# Altium PCB 3-as-manufactured.PcbDoc (part 1 of 16) (continued)
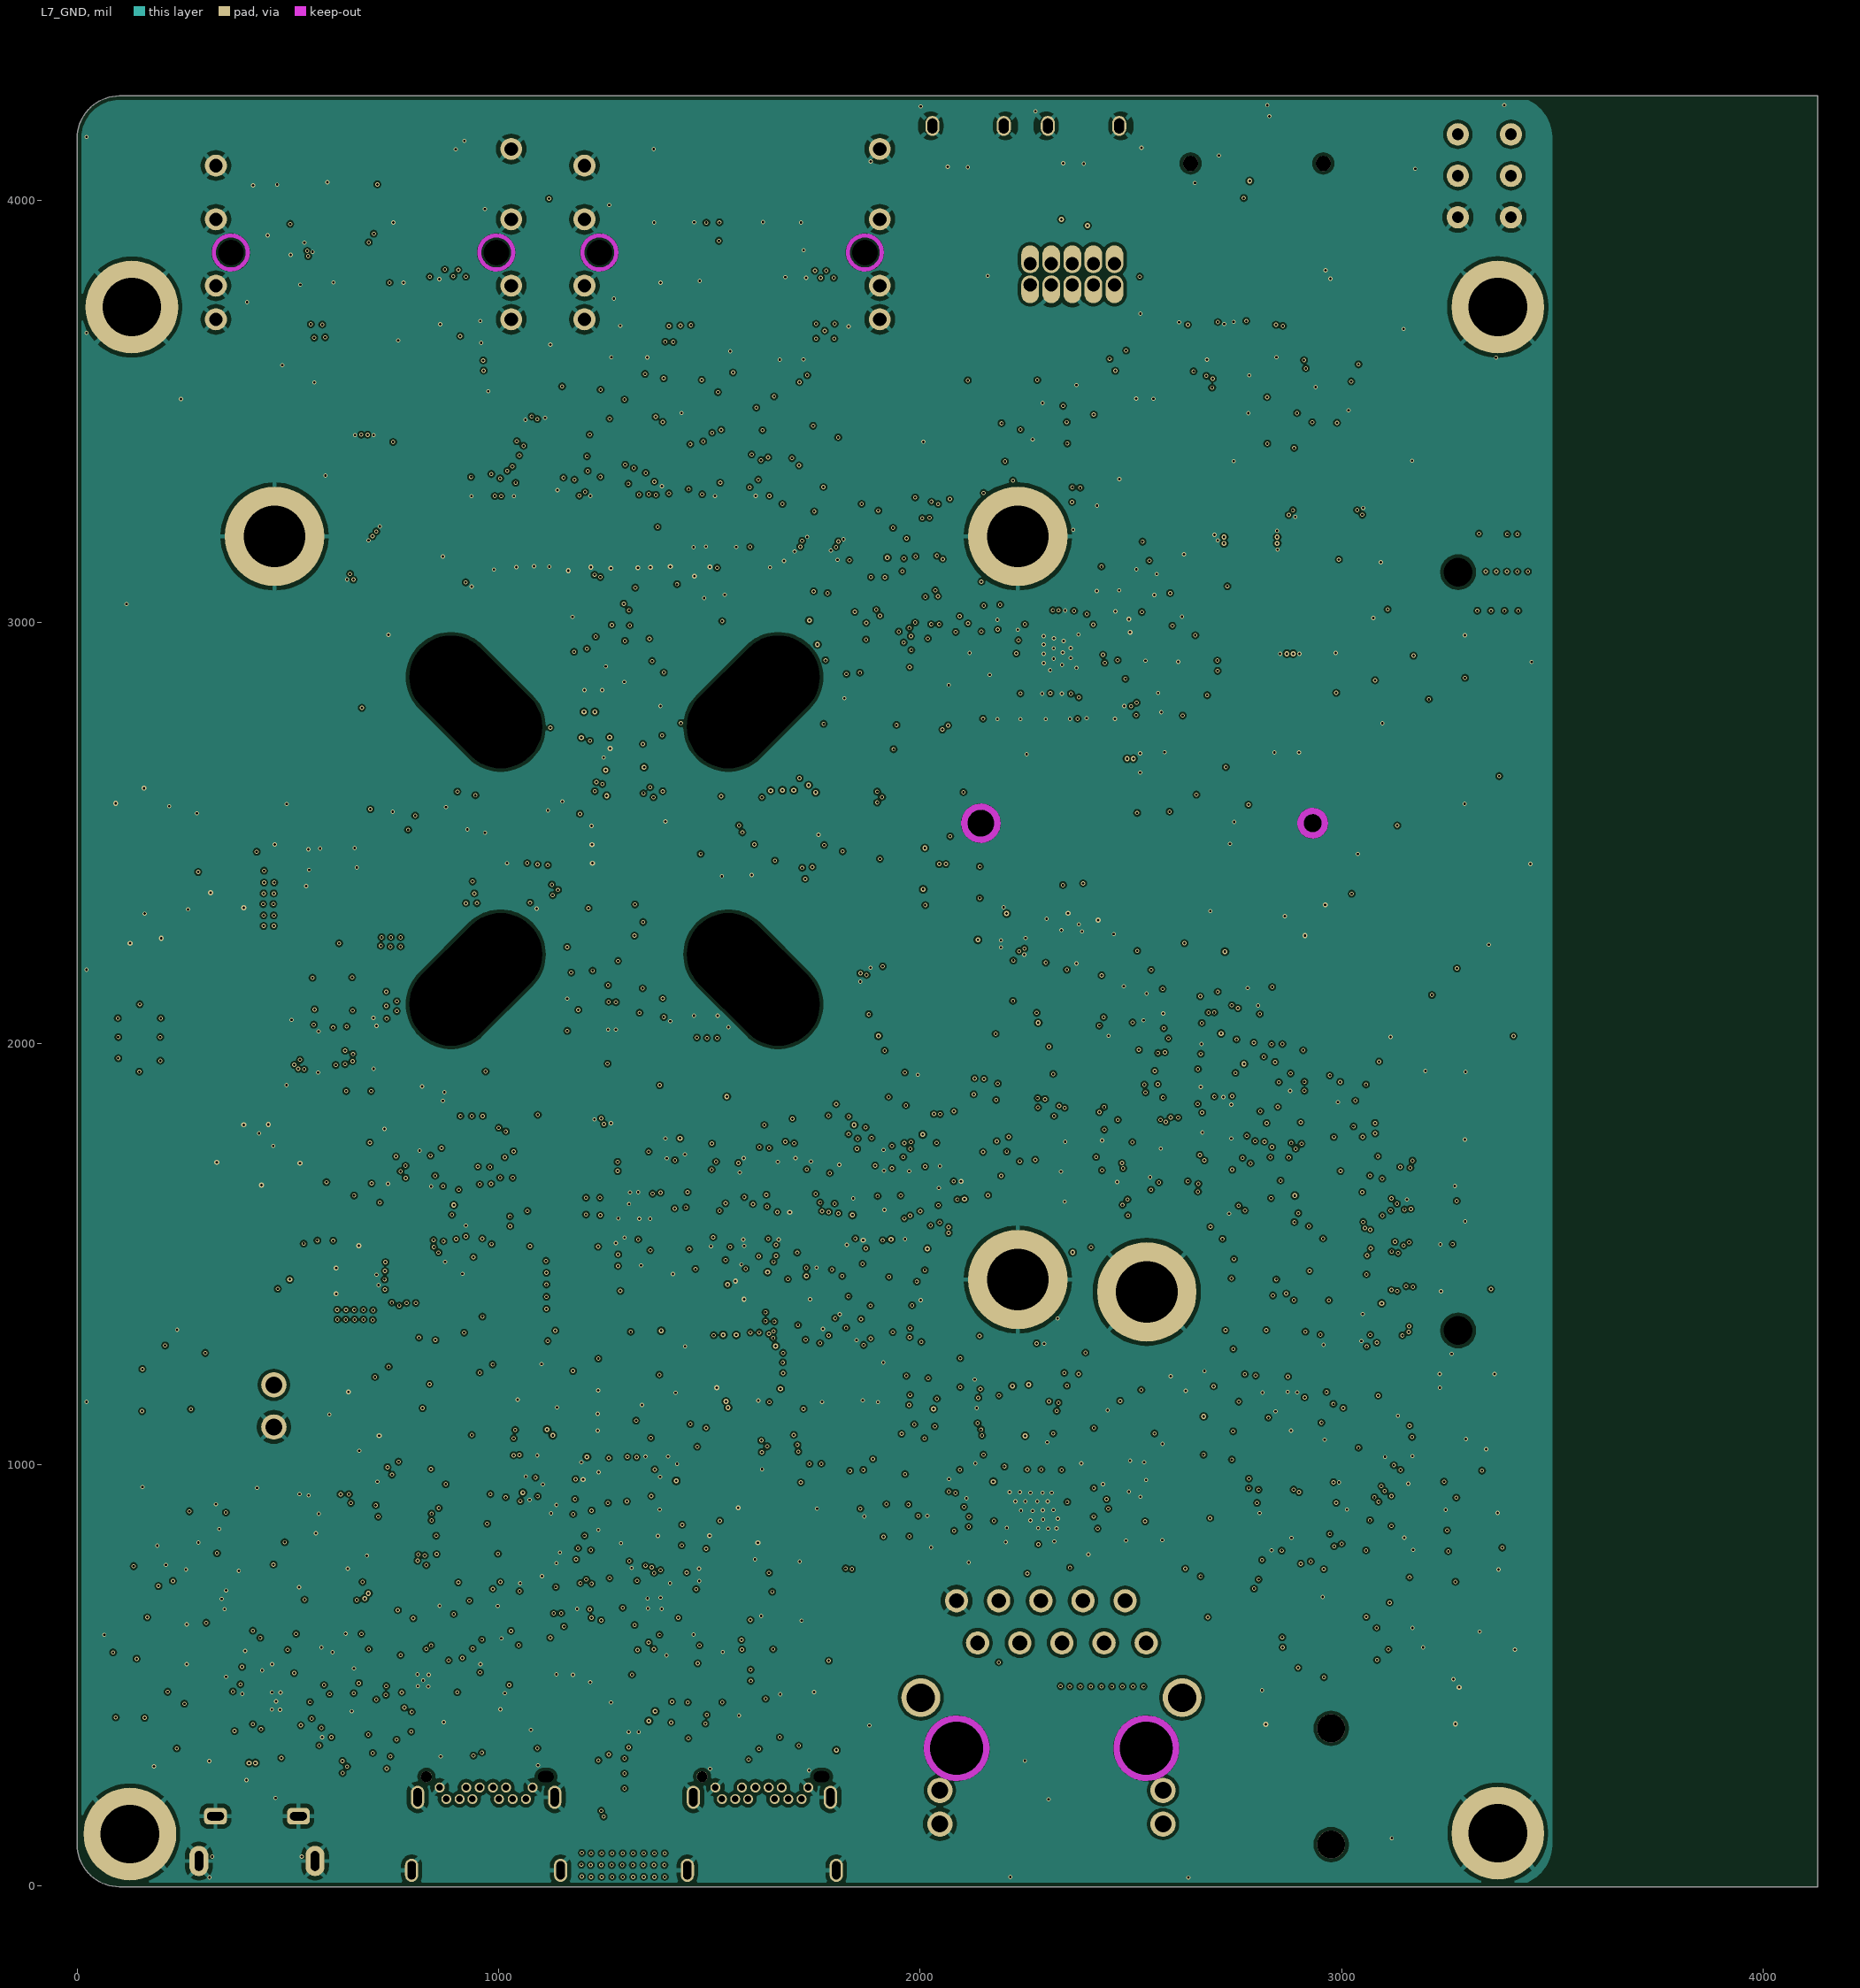
[diagram p7: L7_GND]

## Layer stack, top to bottom
Top Solder: solder mask 0.6, SM-001, Dk 3.8
L1_TOP: signal copper 1.4
Prepreg 1: prepreg 1.9, VT47_1.9_106, Dk 3.5
L2_GND: signal copper 0.6
Core 1: core 3, VT47_3.0_1x2112, Dk 4.05
L3_INT: signal copper 0.6
Prepreg 2: prepreg 8.2, VT47_8.2_7628, Dk 4.15
Prepreg 3: prepreg 8.2, VT47_8.2_7628, Dk 4.15
L4_PWR: signal copper 0.6
Core 2: core 12, VT47_12.0_2x1506, Dk 4.2
L5_PWR: signal copper 0.6
Prepreg 4: prepreg 8.2, VT47_8.2_7628, Dk 4.15
Prepreg 5: prepreg 8.2, VT47_8.2_7628, Dk 4.15
L6_INT: signal copper 0.6
Core 3: core 3, VT47_3.0_1x2112, Dk 4.05
L7_GND: signal copper 0.6
Prepreg 6: prepreg 1.9, VT47_1.9_106, Dk 3.5
L8_BOT: signal copper 1.4
Bottom Solder: solder mask 0.6, SM-001, Dk 3.8

## Board outline
-0.37,98.79 ccw(c99.63,98.79) 99.63,-1.21 4130.18,-1.21 4130.18,4248.79 99.63,4248.79 ccw(c99.63,4148.79) -0.37,4148.79

## Design rules (kind name [scope] priority, off if disabled: settings)
BoardOutlineClearance [All] p1: gap=10 ignorepadtopadclearanceinfootprint=FALSE except(0: Arc-SplitContinuation Track-SplitContinuation SMDPad-SplitContinuation THPad-SplitContinuation Via-SplitContinuation Fill-SplitContinuation Poly-SplitContinuation Region-SplitContinuation Text-SplitContinuation)
Clearance Clearance_1 [IsVia vs InPolygon] p1: gap=4 ignorepadtopadclearanceinfootprint=TRUE except(3: Arc-Arc Arc-Track Arc-SMDPad Arc-Text Track-Track Track-SMDPad Track-Text SMDPad-SMDPad SMDPad-Text Via-Via Via-Text Fill-Text Poly-Text Region-Text Text-Text Text-Hole; 5: Arc-Hole Track-Hole SMDPad-Hole THPad-Hole Via-Hole Fill-Fill Fill-Poly Fill-Region Fill-Hole Poly-Poly Poly-Region Poly-Hole Region-Region Region-Hole; 8: THPad-THPad THPad-Via THPad-Fill THPad-Poly THPad-Region THPad-Text)
Clearance Keepout [All vs IsKeepOut and InAnyComponent] p2: gap=0 ignorepadtopadclearanceinfootprint=FALSE
Clearance [All] p3: gap=4 ignorepadtopadclearanceinfootprint=TRUE except(3: Arc-Arc Arc-Track Arc-SMDPad Arc-Text Track-Track Track-SMDPad Track-Text SMDPad-SMDPad SMDPad-Text Via-Via Via-Text Fill-Text Poly-Text Region-Text Text-Text Text-Hole; 5: Arc-Hole Track-Hole SMDPad-Hole THPad-Hole Via-Hole Poly-Poly; 8: THPad-THPad THPad-Via THPad-Fill THPad-Poly THPad-Region THPad-Text Fill-Hole Poly-Hole Region-Hole)
DiffPairsRouting PCIE [InDifferentialPairClass('PCIE')] p1: maxlimit=5 minlimit=4 mostfreqgap=5 toplayer_mingap=5 toplayer_minwidth=4 toplayer_maxwidth=4 toplayer_prefwidth=4 midlayer2_maxgap=4 midlayer2_prefgap=4 midlayer2_minwidth=4 midlayer2_maxwidth=4 midlayer2_prefwidth=4 midlayer5_maxgap=4 midlayer5_prefgap=4 midlayer5_minwidth=4 midlayer5_maxwidth=4 midlayer5_prefwidth=4 bottomlayer_mingap=5 bottomlayer_minwidth=4 bottomlayer_maxwidth=4 bottomlayer_prefwidth=4 impedanceprofiledriven=TRUE impedanceprofileid={440EAA9C-7D53-4765-B5CF-C84387780223} impedanceprofilevalue=85.000000 maxuncoupledlength=500
DiffPairsRouting ETHERNET [InDifferentialPairClass('ETHERNET')] p2: maxlimit=10 minlimit=5 mostfreqgap=10 toplayer_mingap=6 toplayer_maxgap=6 toplayer_prefgap=6 toplayer_minwidth=3 toplayer_maxwidth=3 toplayer_prefwidth=3 midlayer2_maxgap=5 midlayer2_prefgap=5 midlayer2_minwidth=3 midlayer2_maxwidth=3 midlayer2_prefwidth=3 midlayer5_maxgap=5 midlayer5_prefgap=5 midlayer5_minwidth=3 midlayer5_maxwidth=3 midlayer5_prefwidth=3 bottomlayer_mingap=6 bottomlayer_maxgap=6 bottomlayer_prefgap=6 bottomlayer_minwidth=3 bottomlayer_maxwidth=3 bottomlayer_prefwidth=3 impedanceprofiledriven=TRUE impedanceprofileid={FCB20495-4312-48AB-AC89-C05093422D84} impedanceprofilevalue=100.000000 maxuncoupledlength=200
DiffPairsRouting MIPI [InDifferentialPairClass('CSI') or InDifferentialPairClass('DSI')] p3: maxlimit=10 minlimit=5 mostfreqgap=10 toplayer_mingap=6 toplayer_maxgap=6 toplayer_prefgap=6 toplayer_minwidth=3 toplayer_maxwidth=3 toplayer_prefwidth=3 midlayer2_maxgap=5 midlayer2_prefgap=5 midlayer2_minwidth=3 midlayer2_maxwidth=3 midlayer2_prefwidth=3 midlayer5_maxgap=5 midlayer5_prefgap=5 midlayer5_minwidth=3 midlayer5_maxwidth=3 midlayer5_prefwidth=3 bottomlayer_mingap=6 bottomlayer_maxgap=6 bottomlayer_prefgap=6 bottomlayer_minwidth=3 bottomlayer_maxwidth=3 bottomlayer_prefwidth=3 impedanceprofiledriven=TRUE impedanceprofileid={FCB20495-4312-48AB-AC89-C05093422D84} impedanceprofilevalue=100.000000 maxuncoupledlength=500
DiffPairsRouting USB2 [InDifferentialPairClass('USB_2_C') or InDifferentialPairClass('USB_DEBUG')] p4: maxlimit=10 minlimit=4 mostfreqgap=10 toplayer_mingap=5 toplayer_maxgap=5.5 toplayer_prefgap=5 toplayer_minwidth=3.5 toplayer_maxwidth=3.5 toplayer_prefwidth=3.5 midlayer2_maxgap=4.5 midlayer2_prefgap=4 midlayer2_minwidth=3.5 midlayer2_maxwidth=3.5 midlayer2_prefwidth=3.5 midlayer5_maxgap=4.5 midlayer5_prefgap=4 midlayer5_minwidth=3.5 midlayer5_maxwidth=3.5 midlayer5_prefwidth=3.5 bottomlayer_mingap=5 bottomlayer_maxgap=5.5 bottomlayer_prefgap=5 bottomlayer_minwidth=3.5 bottomlayer_maxwidth=3.5 bottomlayer_prefwidth=3.5 impedanceprofiledriven=TRUE impedanceprofileid={4B4E4BD5-8F1C-45F2-B4B5-8CBA70766CC3} impedanceprofilevalue=90.000000 maxuncoupledlength=800
DiffPairsRouting [All] p5 off: maxlimit=10 minlimit=10 mostfreqgap=10 toplayer_minwidth=15 toplayer_maxwidth=15 toplayer_prefwidth=15 midlayer1_minwidth=15 midlayer1_maxwidth=15 midlayer1_prefwidth=15 midlayer2_minwidth=15 midlayer2_maxwidth=15 midlayer2_prefwidth=15 midlayer3_minwidth=15 midlayer3_maxwidth=15 midlayer3_prefwidth=15 midlayer4_minwidth=15 midlayer4_maxwidth=15 midlayer4_prefwidth=15 midlayer5_minwidth=15 midlayer5_maxwidth=15 midlayer5_prefwidth=15 midlayer6_minwidth=15 midlayer6_maxwidth=15 midlayer6_prefwidth=15 bottomlayer_minwidth=15 bottomlayer_maxwidth=15 bottomlayer_prefwidth=15 maxuncoupledlength=500
HoleSize [All] p1: absolutevalues=TRUE maxlimit=364 minlimit=4 maxpercent=80.000 minpercent=20.000
HoleToHoleClearance HoleToHoleClearance_Vias [IsVia vs IsVia] p1: gap=6.5 allowstackedmicrovias=TRUE
HoleToHoleClearance [All] p2: gap=10 allowstackedmicrovias=TRUE
MatchedLengths MatchedLengths_USB2 [InDifferentialPairClass('USB_2_C') or InDifferentialPairClass('USB_DEBUG')] p1: tolerance=1000 checknetsindiffpair=TRUE checkdiffpairvsdiffpair=FALSE checkxsignals=FALSE checkothers=FALSE usedelayunits=TRUE delaytolerance=400.000000
MatchedLengths MatchedLengths_RPD-DSI [InNetClass('RPD-DSI')] p2: tolerance=1000 checknetsindiffpair=FALSE checkdiffpairvsdiffpair=TRUE checkxsignals=TRUE checkothers=TRUE usedelayunits=TRUE delaytolerance=40.000000
MatchedLengths MatchedLengths_ENET_TX [InNetClass('M-ENET-TX')] p3: tolerance=1000 checknetsindiffpair=FALSE checkdiffpairvsdiffpair=TRUE checkxsignals=TRUE checkothers=TRUE usedelayunits=TRUE delaytolerance=20.000000
MatchedLengths MatchedLengths_ENET_RX_IN [InxSignalClass('ENET_RX_IN')] p4: tolerance=1000 checknetsindiffpair=FALSE checkdiffpairvsdiffpair=TRUE checkxsignals=TRUE checkothers=TRUE usedelayunits=TRUE delaytolerance=30.000000
MatchedLengths MatchedLengths_ENET_RX_OUT [InxSignalClass('ENET_RX_OUT')] p5: tolerance=1000 checknetsindiffpair=FALSE checkdiffpairvsdiffpair=TRUE checkxsignals=TRUE checkothers=TRUE usedelayunits=TRUE delaytolerance=30.000000
MatchedLengths MatchedLengths_SDCARD [InxSignalClass('SD2')] p6: tolerance=1000 checknetsindiffpair=FALSE checkdiffpairvsdiffpair=TRUE checkxsignals=TRUE checkothers=TRUE usedelayunits=TRUE delaytolerance=100.000000
MatchedLengths MatchedLengths_DiffPairs [Not (InDifferentialPairClass('USB_2_C') or InDifferentialPairClass('USB_DEBUG'))] p7: tolerance=5 checknetsindiffpair=TRUE checkdiffpairvsdiffpair=FALSE checkxsignals=FALSE checkothers=FALSE
MinimumAnnularRing [All] p1: minimumring=2
MinimumSolderMaskSliver [All] p1: minsoldermaskwidth=4
PlaneConnect [All] p1: pad.planeconnectstyle=Relief pad.reliefexpansion=20 pad.reliefentries=4 pad.reliefconductorwidth=10 pad.reliefairgap=10 via.planeconnectstyle=Direct via.reliefexpansion=20 via.reliefentries=4 via.reliefconductorwidth=10 via.reliefairgap=10
PolygonConnect [All] p1: thpad.connectstyle=Relief thpad.reliefconductorwidth=10 thpad.reliefentries=4 thpad.polygonreliefangle="45 Angle" thpad.airgapwidth=10 thpad.conductorbypadedge=TRUE thpad.mindistance=15 thpad.enablemindistance=TRUE smdpad.connectstyle=Direct smdpad.reliefconductorwidth=10 smdpad.reliefentries=4 smdpad.polygonreliefangle="90 Angle" smdpad.airgapwidth=10 via.connectstyle=Direct via.reliefconductorwidth=10 via.reliefentries=4 via.polygonreliefangle="90 Angle" via.airgapwidth=10
RoutingVias [All] p1: holewidth=8 width=18 viastyle="Through Hole" minholewidth=6 minwidth=12 maxholewidth=28 maxwidth=50
SilkToSilkClearance [All] p1 off: silktosilkclearance=0.01
SilkToSolderMaskClearance [IsPad] p1: minsilkscreentomaskgap=0.01 clearancetoexposedcopper=FALSE
SolderMaskExpansion SolderMaskExpansion_TestPoints [Testpoint] p1: expansion=0 istentingtop=FALSE useseparateexpansions=TRUE expansionbottom=0 istentingbottom=FALSE
SolderMaskExpansion SolderMaskExpansion_Vias [IsVia] p2: expansion=0 istentingtop=TRUE
SolderMaskExpansion [All] p3: expansion=0 istentingtop=FALSE
SupplyNets "Schematic Supply Nets_8" [InNet('5VREG_SW')] p1: voltage=12.00
SupplyNets "Schematic Supply Nets_7" [InNet('VCC_3V6')] p2: voltage=3.600
SupplyNets "Schematic Supply Nets" [InNet('VCC')] p3: voltage=1.800
SupplyNets "Schematic Supply Nets_43" [InNet('VBUS_DBG')] p4: voltage=5.000
SupplyNets "Schematic Supply Nets_42" [InNet('VCC_3V3_FT')] p5: voltage=3.300
SupplyNets "Schematic Supply Nets_41" [InNet('LINEVDD')] p6: voltage=3.300
SupplyNets "Schematic Supply Nets_40" [InNet('3V3REG_SW')] p7: voltage=3.300
SupplyNets "Schematic Supply Nets_39" [InNet('FT_VCCOUT_3V3')] p8: voltage=3.300
SupplyNets "Schematic Supply Nets_38" [InNet('PCIE_VDD_1V8')] p9: voltage=1.800
SupplyNets "Schematic Supply Nets_37" [InNet('PCIE_VDDA_1V8')] p10: voltage=1.800
SupplyNets "Schematic Supply Nets_36" [InNet('GND_CHASSIS')] p11: voltage=0.000
SupplyNets "Schematic Supply Nets_35" [InNet('VBUS_EXT')] p12: voltage=12.00
SupplyNets "Schematic Supply Nets_34" [InNet('USB1_OTG_VBUS')] p13: voltage=12.00
SupplyNets "Schematic Supply Nets_33" [InNet('USB1_VBUS_IN')] p14: voltage=12.00
SupplyNets "Schematic Supply Nets_32" [InNet('USB2_OTG_VBUS_F')] p15: voltage=12.00
SupplyNets "Schematic Supply Nets_31" [InNet('USB2_OTG_VBUS')] p16: voltage=12.00
SupplyNets "Schematic Supply Nets_30" [InNet('USB1_OTG_VBUS_F')] p17: voltage=12.00
SupplyNets "Schematic Supply Nets_29" [InNet('USB2_VBUS_IN')] p18: voltage=12.00
SupplyNets "Schematic Supply Nets_28" [InNet('NetC339_1')] p19: voltage=12.00
SupplyNets "Schematic Supply Nets_27" [InNet('VBUS_IN')] p20: voltage=12.00
SupplyNets "Schematic Supply Nets_26" [InNet('VBUS_USB_DBG')] p21: voltage=5.000
SupplyNets "Schematic Supply Nets_25" [InNet('5V_REG')] p22: voltage=5.000
SupplyNets "Schematic Supply Nets_24" [InNet('VDD_5V')] p23: voltage=5.000
SupplyNets "Schematic Supply Nets_22" [InNet('SYS_5V')] p24: voltage=5.000
SupplyNets "Schematic Supply Nets_21" [InNet('VDD_3V3')] p25: voltage=3.300
SupplyNets "Schematic Supply Nets_20" [InNet('3V3_DBG_VRO')] p26: voltage=3.300
SupplyNets "Schematic Supply Nets_19" [InNet('VSD_3V3')] p27: voltage=3.300
SupplyNets "Schematic Supply Nets_18" [InNet('VPCIe_3V3')] p28: voltage=3.300
SupplyNets "Schematic Supply Nets_17" [InNet('ENET_AVDD33')] p29: voltage=3.300
SupplyNets "Schematic Supply Nets_16" [InNet('VLDO1_3V3')] p30: voltage=3.300
SupplyNets "Schematic Supply Nets_14" [InNet('VEXT_3V3')] p31: voltage=3.300
SupplyNets "Schematic Supply Nets_13" [InNet('VDDEXT_3V3')] p32: voltage=3.300
SupplyNets "Schematic Supply Nets_12" [InNet('VLDO2_3V3')] p33: voltage=3.300
SupplyNets "Schematic Supply Nets_11" [InNet('VLDO_3V3')] p34: voltage=3.300
SupplyNets "Schematic Supply Nets_10" [InNet('ENET_VDDH_2V5')] p35: voltage=2.500
SupplyNets "Schematic Supply Nets_9" [InNet('PCIE_VDD_DIG')] p36: voltage=1.800
SupplyNets "Schematic Supply Nets_6" [InNet('ENET_VDDIO')] p37: voltage=1.800
SupplyNets "Schematic Supply Nets_5" [InNet('VDD_1V8')] p38: voltage=1.800
SupplyNets "Schematic Supply Nets_4" [InNet('NVCC_ENET')] p39: voltage=1.800
SupplyNets "Schematic Supply Nets_3" [InNet('ENET_DVDDL_1V1')] p40: voltage=1.100
SupplyNets "Schematic Supply Nets_2" [InNet('ENET_AVDDL_1V1')] p41: voltage=1.100
SupplyNets "Schematic Supply Nets_1" [InNet('GND')] p42: voltage=0.000
Width Width_50OhmSE [InNetClass('ETH_CPU') or InNetClass('SAI_AUDIO') or InNetClass('SD2')] p1: maxlimit=10 minlimit=3.5 preferedwidth=10 toplayer_maxwidth=3.5 toplayer_prefwidth=3.5 midlayer2_minwidth=4.2 midlayer2_maxwidth=4.2 midlayer2_prefwidth=4.2 midlayer5_minwidth=4.2 midlayer5_maxwidth=4.2 midlayer5_prefwidth=4.2 bottomlayer_maxwidth=3.5 bottomlayer_prefwidth=3.5 impedanceprofiledriven=TRUE impedanceprofileid={98D0F5A9-4F9E-4018-B13E-187702A870B8} impedanceprofilevalue=50.000000 minimp=50.000000 maximp=50.000000 favimp=50.000000
Width [All] p2: maxlimit=125 minlimit=3.5 preferedwidth=4
23 further rules are at their usual default settings.

## Classes and differential pairs
net class RPD-DSI: DSI_CK_N DSI_CK_P DSI_D0_N DSI_D0_P DSI_D1_N DSI_D1_P DSI_D2_N DSI_D2_P DSI_D3_N DSI_D3_P
net class M-ENET-RX: ENET_RD0 ENET_RD0_BUFIN ENET_RD1 ENET_RD1_BUFIN ENET_RD2 ENET_RD2_BUFIN ENET_RD3 ENET_RD3_BUFIN ENET_RX_CTL ENET_RX_CTL_BUFIN ENET_RXC ENET_RXC_BUFIN
net class M-SDCARD: SD2_CLK SD2_CMD SD2_DATA0 SD2_DATA1 SD2_DATA2 SD2_DATA3
net class SAI_AUDIO: NetR401_2 NetR402_2 SAI1_MCLK SAI1_RXC SAI1_RXD0 SAI1_RXD1 SAI1_RXD2 SAI1_RXD3 SAI1_RXD4 SAI1_RXD5 SAI1_RXD6 SAI1_RXD7 SAI1_RXFS SAI1_TXC SAI1_TXD0 SAI1_TXD1 SAI1_TXD2 SAI1_TXD3 SAI1_TXD4 SAI1_TXD5 SAI1_TXD6 SAI1_TXD7 SAI1_TXFS SAI2_3_MCLK SAI2_MCLK_3V3 SAI3_MCLK SAI3_RXC SAI3_RXD SAI3_RXFS SAI3_TXC SAI3_TXD SAI3_TXFS SAI5_MCLK SAI5_RXC SAI5_RXD0 SAI5_RXD1 SAI5_RXD2 SAI5_RXD3 SAI5_RXFS SPDIF_EXT_CLK SPDIF_RX SPDIF_TX
net class JTAG: JTAG_nTRST JTAG_TCK JTAG_TDI JTAG_TDO JTAG_TMS
net class M-ENET-TX: ENET_TD0 ENET_TD1 ENET_TD2 ENET_TD3 ENET_TX_CTL ENET_TXC
differential pair class USB_2_C: USB1 USB1_CN USB2 USB2_CN
net class Power: 3V3_DBG_VRO 3V3REG_SW 5V_REG 5VREG_SW ENET_AVDD33 ENET_AVDDL_1V1 ENET_DVDDL_1V1 ENET_LX ENET_VDDH_2V5 ENET_VDDIO FT_VCCOUT_3V3 LINEVDD NetC339_1 NVCC_ENET PCIE_VDD_1V8 PCIE_VDD_DIG PCIE_VDDA_1V8 SYS_5V USB1_OTG_VBUS USB1_OTG_VBUS_F USB1_VBUS_IN USB2_OTG_VBUS USB2_OTG_VBUS_F USB2_VBUS_IN VBUS_DBG VBUS_EXT VBUS_IN VBUS_USB_DBG VCC VCC_3V3_FT VCC_3V6 VDD_1V8 VDD_3V3 VDD_5V VDDEXT_3V3 VEXT_3V3 VLDO1_3V3 VLDO2_3V3 VLDO_3V3 VPCIE_3V3 VSD_3V3
differential pair class USB_DEBUG: FT_USB USB_DBG
component class "C-07 CPU IO INTERFACE": C201 C202 C203 C204 C205 C206 C207 C208 C209 C210 C211 C212 C213 C214 C215 C216 C217 C218 C219 C220 C221 J201 J202 J203 R201 R202 R203 R204 R205 R206 R207 R208 R209 R210 R211 R212 R213 R214 R215 R216 R217 R218 R219 U201 U202 U203 U204
component class "X-16 BOOT CFG": R1101 R1102 R1103 R1104 R1105 R1106 R1107 R1108 R1109 R1110 R1111 R1112 R1113 R1114 R1115 R1116 R1117 R1118 R1119 R1120 R1121 R1122 R1123 R1124 R1125 R1126 R1127 R1128 R1129 R1130 R1131 R1132 R1133 R1134 R1135 R1136 R1137 R1138 R1139 R1140 SW1101 SW1102
component class "C-06 Power": C101 C102 C103 C105 C106 C107 C108 C109 C113 C114 C116 C117 C118 C119 C120 C121 C122 C138 C141 C142 C145 C157 C159 C160 C161 D101 J101 L101 L102 Q101 Q102 Q903 R101 R102 R103 R105 R107 R108 R109 R110 R111 R112 R113 R114 R115 R120 R125 R129 R131 R133 R134 R135 R136 R137 R138 R139 R140 SW101 U101 U102
component class "C-10 Ethernet 1Gbps": C501 C502 C503 C504 C505 C506 C507 C508 C509 C510 C511 C512 C513 C514 C515 C516 C517 C518 C519 C520 C521 C522 C523 C524 C525 C526 C527 J501 L501 L502 L503 R501 R502 R503 R506 R508 R509 R510 R511 R512 R513 R514 R515 R517 R518 R519 R520 R521 R522 R523 R524 R525 R526 R527 R528 R536 R537 R538 R539 R540 R541 R542 R543 R544 U501 U502 U503 U504 U505 U506 U507 U508 Y501
component class "C-11 PCIe": C603 C604 C605 C606 C607 C608 C609 C611 C613 C614 C615 C616 C617 C618 C620 C621 C622 C623 C624 C625 D601 D602 D603 J601 L601 L602 Q604 R601 R602 R603 R604 R610 R611 R612 R613 R614 R615 R616 R617 R618 R619 R620 R621 R622 R623 R624 R625 R626 R627 R629 R630 R631 R632 U601 Y601
component class "C-12 MicroSD_Infrared_LED_BTN": C702 C703 C704 C706 C707 C708 D702 D703 D704 D705 D706 D707 D708 D709 J701 R702 R704 R705 R707 R708 R709 R713 R714 TVS701 TVS702 U701 U702
component class "C-13 MIPI-DSI_CSI": C801 C802 C803 C804 C805 C806 C807 C811 C812 C813 C814 C815 J801 J802 R801 R802 R803 R804 R805 R806 R807 R808 R809 R810 R811 R812
component class "C-15 Expansion CN": C1001 C1002 C1003 C1004 D1001 D1002 J1001 J1003 J1004 Q1001 Q1002 Q1003 R1001 R1003 R1004 R1005 R1006 R1009 R1010 R1011 R1012 R1013 R1014 R1015 R1016 R1017 R1018 R1019 R1020 R1021 R1022 R1023 R1024 R1025 R1026 R1027 R1028 R1029 R1030 R1031 R1032 R1033 R1034
differential pair class PCIE: DIF0 DIF1 PCIE_CLK_CPU PCIE_RX PCIE_TX PCIE_TXC REF_CLK_CN
differential pair class ETHERNET: ETH_TRX0 ETH_TRX1 ETH_TRX2 ETH_TRX3
differential pair class DSI: DSI_CK DSI_D0 DSI_D1 DSI_D2 DSI_D3
differential pair class CSI: CSI_CK CSI_D0 CSI_D1 CSI_D2 CSI_D3
component class "X-17 Mech_TP": BH1201 BH1202 BH1203 BH1204 BH1206 BH1207 BH1208 BH1209 MX1 TP1201 TP1202 TP1203
component class "C-14 Debug": C901 C902 C903 C905 C906 C907 C908 C909 C910 C911 C912 C913 C914 C915 C916 C917 C918 C920 D902 D903 D905 D906 D907 D908 D909 D910 J901 J902 L901 R902 R903 R904 R908 R909 R910 R911 R915 R916 R917 R918 R919 R920 R921 R922 R923 R924 R925 R926 R927 R928 R929 R930 SW901 SW902 TVS901 U901 U902 U903 U904 X901
component class "C-09 Audio DAC": C401 C402 C403 C404 C405 C406 C407 J401 L401 R401 R402 R403 R404 R405 R406 TVS401 TVS402 U401
component class "C-08 USB TYPE-C DRP": C301 C302 C303 C304 C305 C308 C309 C311 C313 C314 C315 C316 C317 C318 C319 C320 C321 C322 C323 C325 C326 C327 C329 C330 C331 C332 C333 C334 C335 C336 C337 C338 C339 C340 C341 C342 C343 C344 D301 D303 D308 D309 D310 D311 D312 D313 F301 F302 J301 J302 Q301 R301 R302 R303 R304 R305 R306 R307 R308 R309 R310 R311 R312 R313 R314 R315 R316 R318 R319 R320 R321 R322 R323 R325 R327 R328 R329 R330 R331 R332 R333 R334 R335 R336 R337 R338 R339 R340 R341 R342 R343 R344 R345 R346 R349 R350 R353 R354 R355 R356 R357 R358 R359 R360 R361 TVS303 TVS304 TVS307 TVS308 U301 U302 U303 U304 U305 U306 U307 U308 U309 U310 U311 U312
differential pair USB2_CN: +USB2_CN_DP -USB2_CN_DN
differential pair USB1_CN: +USB1_CN_DP -USB1_CN_DN
differential pair REF_CLK_CN: +REF_CLK_CN_P -REF_CLK_CN_N
differential pair PCIE_TXC: +PCIE_TXC_P -PCIE_TXC_N
differential pair PCIE_TX: +PCIE_TX_P -PCIE_TX_N
differential pair PCIE_RX: +PCIE_RX_P -PCIE_RX_N
differential pair PCIE_CLK_CPU: +PCIE_CLK_CPU_P -PCIE_CLK_CPU_N
differential pair FT_USB: +FT_USB_DP -FT_USB_DN
differential pair DSI_D3: +DSI_D3_P -DSI_D3_N
differential pair DSI_D2: +DSI_D2_P -DSI_D2_N
differential pair DSI_D1: +DSI_D1_P -DSI_D1_N
differential pair DSI_D0: +DSI_D0_P -DSI_D0_N
differential pair DSI_CK: +DSI_CK_P -DSI_CK_N
differential pair DIF1: +DIF1_P -DIF1_N
differential pair DIF0: +DIF0_P -DIF0_N
differential pair CSI_D3: +CSI_D3_P -CSI_D3_N
differential pair CSI_D2: +CSI_D2_P -CSI_D2_N
differential pair CSI_D1: +CSI_D1_P -CSI_D1_N
differential pair CSI_D0: +CSI_D0_P -CSI_D0_N
differential pair CSI_CK: +CSI_CK_P -CSI_CK_N
differential pair USB2: +USB2_DP -USB2_DN
differential pair USB1: +USB1_DP -USB1_DN
differential pair USB_DBG: +USB_DBG_DP -USB_DBG_DN
differential pair ETH_TRX3: +ETH_TRX3_P -ETH_TRX3_N
differential pair ETH_TRX2: +ETH_TRX2_P -ETH_TRX2_N
differential pair ETH_TRX1: +ETH_TRX1_P -ETH_TRX1_N
differential pair ETH_TRX0: +ETH_TRX0_P -ETH_TRX0_N
